# KiCad board panel_rp2354_20x20.kicad_pcb (continued)
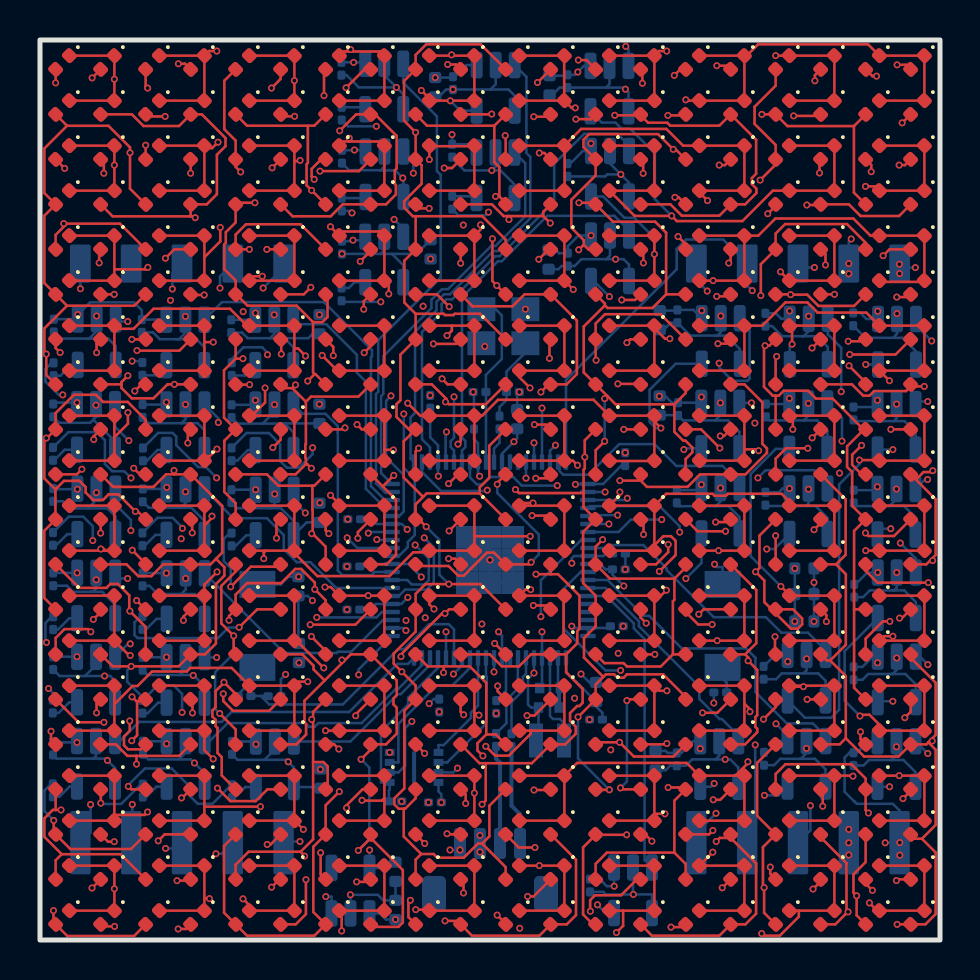
[diagram p0: board, top side]
## Routing (per net, layer and track width the routed paths; a pad name or vN(x,y) marks a point on that pad's centre or on a via; arc(x,y) is an arc through that point) (continued)
GND: length 260
  Bottom w0.127: 43.78,20.28 43.78,21.12 43.2,21.7 42.48,21.7 ; C7.2 27.47,12.88 v1(27.05,13.3) ; U42.4 30.6,2.25 30.57,2.28 v1(29.67,2.28) ; U41.4 34.91,8.63 34.51,9.03 v1(34.26,9.03) 33.78,9.03 ; 38.17,13.33 37.09,13.33 36.8,13.04 C54.2 ; 38.17,13.33 38.33,13.49 v1(38.33,14.06) U38.2 ; 38.17,13.33 38.91,13.33 39.28,12.96 U38.4 ; 11.22,9.01 11.74,9.53 U3.2 ; 11.22,9.01 12.31,9.01 v1(12.41,8.91) 12.69,8.63 U3.4 13.97,7.65 C66.2 ; 11.22,9.01 9.88,9.01 9.6,9.28 ; U4.2 7.28,9.37 6.94,9.03 ; U22.2 22.78,38.66 v1(22.59,38.48) ; v1(29.04,38.28) 28.36,38.28 28.26,38.18 C41.2 ; v1(29.04,38.28) 28.5,38.82 U25.2 ; v1(29.04,38.28) 29.45,37.87 U25.4 ; C29.2 9.88,25.82 11.13,25.82 ; v1(40.44,4.86) v1(40.44,4.25) 40.44,4.11 ; v1(40.44,4.86) J2.4 ; v1(40.44,4.86) J2.4 ; 6.79,30.04 5.99,30.04 5.65,30.38 C36.2 ; 6.79,30.04 6.95,30.04 ; 6.79,30.04 6.95,30.04 ; 11.73,26.71 v1(11.73,26.77) 11.73,26.71 ; 11.73,26.71 11.73,26.42 11.13,25.82 ; 6.95,30.04 7.27,30.36 U20.2 v1(7.27,31.18) ; 6.95,30.04 7.82,30.04 8.22,29.64 U20.4 ; 33.75,30.22 33.87,30.22 ; 33.75,30.22 33.87,30.22 ; 33.75,30.22 32.52,30.22 31.87,30.86 31.53,30.86 31.18,30.51 C72.2 ; 33.87,30.22 34.32,30.22 34.99,29.55 U27.4 ; 33.87,30.22 34.04,30.39 U27.2 34.04,31.2 v1(34.04,31.2) ; 23.72,37.1 23.72,37.77 23.02,38.48 v1(22.59,38.48) ; 17.03,34.3 17.59,34.3 ; 17.03,34.3 17.21,34.49 U18.2 ; 17.03,34.3 v1(15.1,34.3) ; 17.59,34.3 18.16,33.74 U18.4 ; 17.59,34.3 18.83,34.3 C60.2 ; U37.4 43.79,12.78 43.27,13.3 42.63,13.3 ; C21.2 0.84,9.07 2.67,9.07 ; 22.53,42.52 v1(20.65,42.52) 20.31,42.52 19.94,42.16 C69.2 ; 22.53,42.52 22.78,42.78 22.78,43.74 ; 22.53,42.52 23.42,42.52 23.73,42.22 U23.4 ; 28.3,42.62 C40.2 25.98,42.62 25.61,42.26 C70.2 ; 28.3,42.62 29.19,42.62 v1(29.27,42.54) 29.42,42.38 U24.4 ; 28.3,42.62 28.47,42.8 U24.2 ; v1(42.84,14.1) 42.84,13.51 42.63,13.3 ; v1(42.84,14.1) U37.2 v1(42.84,14.1) ; C45.2 36.47,25.98 38.19,25.98 ; 34.02,26.85 34.02,26.24 33.76,25.98 ; 34.02,26.85 v1(34.02,26.86) 34.02,26.85 ; U6.2 7.28,13.54 6.99,13.25 ; 36.27,30.69 36.61,30.69 37.11,30.19 38.1,30.19 ; 17.22,39.42 17.22,38.69 17.02,38.48 ; U29.4 39.37,25.46 38.85,25.98 38.19,25.98 ; 42.63,13.3 42.53,13.3 ; 42.63,13.3 42.53,13.3 ; C38.2 20.61,39.09 21.22,38.48 v1(22.59,38.48) ; C56.2 36.7,8.74 37.02,9.06 38.04,9.06 ; 33.76,25.98 32.15,25.98 C46.2 31.89,26.24 C71.2 ; 33.76,25.98 34.4,25.98 34.97,25.41 U30.4 ; C62.2 v1(12.95,13.86) ; Y1.4 22.08,29.84 v1(22.24,29.68) ; 12.22,30.09 13.41,30.09 13.63,30.31 C74.2 ; 12.22,30.09 12.66,29.64 12.66,28.74 ; 12.22,30.09 11.5,30.09 ; v1(42.83,9.66) 42.83,9.25 42.57,9 ; v1(42.83,9.66) U39.2 v1(42.83,9.66) ; v1(40.56,35.05) 40.44,34.93 v1(40.44,33.82) v1(40.44,33.31) ; 38.3,21.7 38.42,21.83 v1(38.42,22.54) U32.2 ; 38.3,21.7 38.78,21.7 39.38,21.11 U32.4 ; 38.3,21.7 36.31,21.7 C48.2 ; 2.9,22.19 2.9,22.53 ; 2.9,22.19 2.82,22.19 ; 2.9,22.19 2.9,22.12 ; C25.2 1.34,17.72 1.65,17.41 2.55,17.41 ; U2.81 U2.81 21.37,19.57 ; 38.1,30.19 38.18,30.19 ; 38.1,30.19 38.18,30.19 ; 38.18,30.19 38.85,30.19 39.39,29.65 U26.4 ; 38.18,30.19 38.44,30.45 U26.2 38.44,31.18 v1(38.43,31.19) ; 11.13,25.82 12.24,25.82 ; 12.24,25.82 12.25,25.83 C75.2 ; 12.24,25.82 12.67,25.39 12.67,24.5 ; C50.2 40.74,25.94 42.69,25.94 ; U5.2 2.8,9.2 2.67,9.07 ; 3.77,20.73 U12.4 ; 3.77,20.73 3.85,20.73 ; 3.77,20.73 3.77,21.18 3.37,21.58 2.4,21.58 ; 33.78,9.03 33.96,9.21 U41.2 ; 33.78,9.03 32.61,9.03 32.29,8.71 C57.2 31.5,8.71 31.28,8.5 30.78,8.5 ; 11.5,30.09 10.38,30.09 10.1,30.37 C35.2 ; 11.5,30.09 11.72,30.31 U19.2 11.72,31.26 v1(11.71,31.26) ; 40.44,5.65 v1(40.44,5.53) J2.4 ; U42.2 29.65,2.3 v1(29.67,2.28) ; U39.4 43.78,8.39 43.17,9 42.57,9 ; 2.25,13.2 v1(3.23,13.2) 3.51,13.2 3.76,12.95 U7.4 ; 2.25,13.2 0.98,13.2 C23.2 ; 2.25,13.2 2.8,13.75 U7.2 ; 7.06,17.3 7.28,17.52 v1(7.28,18.08) U8.2 ; 7.06,17.3 7.74,17.3 8.23,16.81 U8.4 ; 7.06,17.3 5.88,17.3 5.48,17.7 5.13,17.7 ; 2.4,30.07 1.02,30.07 C32.2 ; 2.4,30.07 2.46,30.07 ; 2.4,30.07 2.46,30.07 ; v1(38.7,15.93) C61.2 v1(38.7,17.88) C76.2 ; 42.48,21.7 40.84,21.7 C52.2 ; 42.48,21.7 42.83,22.05 v1(42.83,22.55) ; C64.2 13.33,20.88 U10.4 12.69,20.94 12.04,21.59 11.52,21.59 ; 6.94,9.03 5.41,9.03 C20.2 ; 6.94,9.03 7.54,9.03 v1(7.72,8.85) 8.23,8.34 U4.4 ; 42.69,25.94 43.23,25.94 43.78,25.39 U34.4 ; 42.69,25.94 42.83,26.08 v1(42.83,26.8) ; U11.4 8.23,20.95 7.57,21.61 7.04,21.61 ; C51.2 41.15,17.14 41.49,17.48 42.62,17.48 ; 2.46,30.07 3.41,30.07 3.78,29.69 3.78,28.75 ; 2.46,30.07 2.84,30.44 U16.2 2.84,31.2 v1(2.83,31.2) ; 2.82,22.19 v1(2.82,22.37) U12.2 ; 2.82,22.19 2.82,22 2.4,21.58 ; C4.2 25.9,12.72 U2.62 ; 6.99,13.25 5.38,13.25 C22.2 ; 6.99,13.25 7.64,13.25 v1(7.66,13.23) 7.69,13.23 8.23,12.69 U6.4 ; U43.2 15.53,2.25 v1(15.52,2.26) 16.89,2.26 17.17,1.98 C67.2 C68.2 ; U9.4 3.76,16.76 3.11,17.41 2.65,17.41 ; 2.55,17.41 2.65,17.41 ; 2.55,17.41 2.65,17.41 ; 2.4,21.58 1.51,21.58 1.16,21.94 C28.2 ; 38.19,25.98 38.42,26.21 v1(38.42,26.83) ; C33.2 15.45,38.49 17.01,38.49 17.02,38.48 ; v1(29.67,2.28) 29.52,2.28 29.52,2.28 28.29,2.28 28.17,2.41 C58.2 ; U11.2 v1(7.27,22.41) 7.27,21.84 7.04,21.61 ; U2.81 21.37,19.57 ; 21.37,19.57 22.5,19.57 ; SW1.1 12.04,17.78 12.42,18.16 C59.2 v1(12.93,18.16) ; U21.4 18.16,42.29 v1(17.82,42.63) ; 17.02,38.48 17.76,38.48 v1(18.14,38.1) 18.17,38.06 U17.4 ; U33.4 34.97,21.14 34.43,21.69 33.79,21.69 ; U15.2 v1(2.8,26.74) 2.8,26.15 2.67,26.02 ; U40.2 v1(38.33,9.58) 38.33,9.34 38.04,9.06 ; U15.4 3.75,24.93 2.67,26.02 ; C73.2 25.92,33.54 26.08,33.7 C44.2 26.73,33.7 27.07,34.04 28.32,34.04 ; 6.97,21.61 5.45,21.61 C27.2 ; 6.97,21.61 7.04,21.61 ; 6.97,21.61 7.04,21.61 ; U14.4 8.23,25.5 7.88,25.84 7.07,25.84 ; U28.4 29.45,33.77 29.18,34.04 v1(28.78,34.04) 28.32,34.04 ; 2.65,17.41 2.81,17.57 v1(2.81,18.01) U9.2 ; 40.67,8.72 41.17,8.72 41.45,9 42.57,9 ; C47.2 41.27,30.11 42.58,30.11 ; 33.79,21.69 32,21.69 C49.2 ; 33.79,21.69 34.03,21.92 v1(34.03,22.6) ; C26.2 9.85,21.59 11.52,21.59 ; U40.4 39.28,8.53 38.75,9.06 38.04,9.06 ; 2.67,9.07 3.28,9.07 v1(3.37,8.98) 3.75,8.6 U5.4 ; 2.67,26.02 2.51,25.86 0.96,25.86 C31.2 ; 7.07,25.84 5.42,25.84 C30.2 ; 7.07,25.84 7.27,26.05 v1(7.27,26.78) ; U21.2 17.21,43.24 v1(17.82,42.63) ; 42.62,17.48 42.7,17.48 ; 42.62,17.48 42.7,17.48 ; 42.7,17.48 43.21,17.48 43.79,16.9 U35.4 ; 42.7,17.48 42.84,17.62 v1(42.84,18.38) ; C37.2 15.33,43.24 15.94,42.63 v1(17.82,42.63) ; 3.85,20.73 3.85,20.97 ; 3.85,20.73 3.85,20.25 ; U2.81 U2.81 U2.81 U2.81 v1(22.5,19) 22.5,19.57 ; U28.2 28.5,34.22 28.32,34.04 ; C15.2 29.27,18.54 v1(29.26,18.53) ; 22.5,19.57 U2.81 ; 42.53,13.3 41.41,13.3 41.12,13.02 C53.2 ; 11.52,21.59 11.73,21.81 v1(11.73,22.3) U10.2 ; v1(21.66,27.4) 21.7,27.36 C13.2 ; v1(42.85,31.32) U31.2 42.85,30.31 42.65,30.11 43.12,30.11 43.8,29.43 43.8,28.78 ; C8.2 23.86,27.3 v1(23.97,27.4) ; R2.2 v1(33.69,11.85) ; J1.1 v1(21,4.5) v1(20.5,4.5)
  Bottom w0.2: 25.95,12.33 25.95,11.67
  vias: v1(15.35,18.68) v1(15.35,16.52) v1(15.39,21.04) v1(17.48,9.38) v1(19.42,6.88) v1(19.51,27.23) v1(19.96,11.41) v1(22.81,11.33) v1(24.27,31.54) v1(26.73,12.09) v1(29.16,15.69) v1(29.26,24.36)
/drivers/COL_00: length 1.4
  Bottom w0.127: U3.5 10.27,7.65 10.27,7.65 9.74,7.12 R9.1
/drivers/COL_01: length 1.4
  Bottom w0.127: U4.5 5.83,7.67 5.31,7.15 R10.1
/drivers/COL_02: length 1.4
  Bottom w0.127: U5.5 1.48,7.67 0.98,7.17 R11.1
/drivers/COL_03: length 1.4
  Bottom w0.127: R12.1 5.38,11.34 5.91,11.87 U6.5
/drivers/COL_04: length 1.4
  Bottom w0.127: R13.1 0.94,11.36 1.47,11.89 U7.5
/drivers/COL_05: length 1.4
  Bottom w0.127: R14.1 5.3,15.53 5.83,16.06 U8.5
/drivers/COL_06: length 1.4
  Bottom w0.127: U9.5 1.47,16.08 0.91,15.53 R15.1
/drivers/COL_07: length 1.6
  Bottom w0.127: 10.55,20.34 10.66,20.24 ; 10.66,20.24 10.32,20.24 9.78,19.7 9.58,19.7 ; 10.66,20.24 U10.5
/drivers/COL_08: length 1.4
  Bottom w0.127: R17.1 5.23,19.72 5.78,20.26 U11.5
/drivers/COL_09: length 1.4
  Bottom w0.127: R18.1 0.8,19.73 1.36,20.29 U12.5
/drivers/COL_10: length 1.4
  Bottom w0.127: R19.1 9.87,23.97 10.4,24.5 10.77,24.5
/drivers/COL_11: length 1.4
  Bottom w0.127: U14.5 5.88,24.5 5.34,23.96 R20.1
/drivers/COL_12: length 1.4
  Bottom w0.127: U15.5 1.23,24.51 0.7,23.98 0.65,23.98
/drivers/COL_13: length 1.4
  Bottom w0.127: U16.5 1.56,28.75 1.02,28.22 R22.1
/drivers/COL_14: length 1.2
  Bottom w0.127: R23.1 16.22,37.09 16.28,37.15
/drivers/COL_15: length 1.3
  Bottom w0.127: R24.1 15.44,32.6 15.73,32.89 U18.5
/drivers/COL_16: length 1.4
  Bottom w0.127: U19.5 10.25,28.22 9.59,28.22
/drivers/COL_17: length 1.4
  Bottom w0.127: U20.5 5.81,28.23 R26.1
/drivers/COL_18: length 1.2
  Bottom w0.127: R27.1 16.16,41.64 U21.5
/drivers/COL_19: length 1.3
  Bottom w0.127: R28.1 21.74,37.19 U22.5
/drivers/COL_MCU_00: length 8.7
  Bottom w0.127: U2.78 19.5,13.76 18.04,12.29 17.89,12.29 15.52,9.92 U3.3
/drivers/COL_MCU_01: length 13
  Bottom w0.127: U4.3 8.48,9.94 9.38,10.85 13.25,10.85 13.44,10.66 13.74,10.66 13.92,10.85 16.08,10.85 17.78,12.55 17.9,12.55 19.1,13.74 U2.79
/drivers/COL_MCU_02: length 16.7
  Bottom w0.127: U2.80 18.4,13.8 17.86,13.8 15.46,11.4 9.58,11.4 9.08,10.9 4.96,10.9 4,9.95 U5.3
/drivers/COL_MCU_03: length 10.7
  In1.Cu w0.127: v1(15.93,13.26) 15.91,13.24 14.04,13.24 13.97,13.3 12.93,13.3 12.1,14.13 v1(8.83,14.13)
  Bottom w0.127: v1(15.93,13.26) 15.93,13.53 U2.1 ; U6.3 8.24,14.13 v1(8.83,14.13)
/drivers/COL_MCU_04: length 15.8
  In1.Cu w0.127: v1(18.3,15.47) 17.63,14.81 v1(4.51,14.81)
  Bottom w0.127: U7.3 4.4,14.81 v1(4.51,14.81) ; v1(18.3,15.47) 18.17,15.6 U2.2
/drivers/COL_MCU_05: length 11.7
  Bottom w0.127: U8.3 12.22,14.35 14.83,14.35 14.9,14.41 15.56,14.41 17.15,16 U2.3
/drivers/COL_MCU_06: length 14.9
  In1.Cu w0.127: v1(13.84,16.13) 13.62,16.35 6.1,16.35 v1(4.38,18.07)
  Bottom w0.127: U9.3 4.05,18.07 v1(4.38,18.07) ; U2.4 17.1,16.4 16.83,16.13 13.84,16.13 v1(13.84,16.13)
/drivers/COL_MCU_07: length 13.9
  In1.Cu w0.127: v1(19.21,20.11) 19.32,20.11 19.7,20.48 19.7,20.79 19.09,21.41 13.32,21.41 v1(13.27,21.35)
  Bottom w0.127: U2.6 17.94,17.2 18.26,17.52 19.33,17.52 19.69,17.88 19.69,19.63 v1(19.21,20.11) ; v1(13.27,21.35) 12.69,21.93 U10.3
/drivers/COL_MCU_08: length 11.8
  Bottom w0.127: U2.7 14.81,17.6 13.52,18.89 12.84,18.89 12.19,19.54 12.19,20.25 11.34,21.09 9.67,21.09 U11.3
/drivers/COL_MCU_09: length 21.2
  In1.Cu w0.127: v1(4.54,20.47) 6.14,20.47 6.91,19.7 12.12,19.7 12.37,19.44 18.45,19.44 v1(18.76,19.75)
  Bottom w0.127: v1(4.54,20.47) 4.54,21.01 3.77,21.78 U12.3 ; v1(18.76,19.75) 19.44,19.07 19.44,17.99 19.22,17.78 18.59,17.78 18.37,18 U2.8
/drivers/COL_MCU_10: length 12.8
  Bottom w0.127: U2.9 16.73,18.4 16.57,18.24 15.12,18.24 14.89,18.47 14.89,25.39 14.88,25.39 14.88,25.7 14.27,26.31 13.13,26.31 U13.3
/drivers/COL_MCU_11: length 18.6
  In1.Cu w0.127: v1(8.92,25.88) 9.15,26.11 15.31,26.11 15.5,26.3 v1(18.19,26.3)
  Bottom w0.127: U14.3 8.92,26.08 v1(8.92,25.88) ; U2.11 17.94,19.2 18.39,19.65 18.39,19.9 18.74,20.25 18.74,23.06 18.19,23.61 v1(18.19,26.3)
/drivers/COL_MCU_12: length 19.4
  In1.Cu w0.127: v1(15.36,20.11) 15.2,19.95 13.35,19.95 12.8,20.49 11.52,20.49 11.01,19.98 7.14,19.98 v1(7.06,20.06)
  In2.Cu w0.127: v1(7.06,20.06) 5.44,21.68 5.44,23.97 v1(4.44,24.97)
  Bottom w0.127: U15.3 3.75,25.66 v1(4.44,24.97) ; U2.12 15.87,19.6 v1(15.36,20.11)
/drivers/COL_MCU_13: length 29.3
  In1.Cu w0.127: v1(4.39,30.93) 4.54,30.77 17.79,30.77 17.96,30.94 18.41,30.94 v1(19.15,31.69)
  In2.Cu w0.127: v1(16.84,20.02) 16.84,23.01 18.26,24.43 18.26,25.42 19.14,26.3 19.14,31.67 v1(19.15,31.69)
  Bottom w0.127: U2.13 16.86,20 v1(16.84,20.02) ; v1(4.39,30.93) 3.89,30.93 3.78,31.03
/drivers/COL_MCU_14: length 21.5
  In2.Cu w0.127: v1(18.67,38.34) 18.75,38.26 18.75,26.35 16.41,24.01 v1(16.41,20.34)
  Bottom w0.127: v1(18.67,38.34) 18.67,38.93 18.17,39.42 ; v1(16.41,20.34) 16.47,20.4 U2.14
/drivers/COL_MCU_15: length 17
  In2.Cu w0.127: v1(17.55,27.21) 17.8,27.46 17.8,35.93 v1(17.7,36.03)
  Bottom w0.127: U18.3 18.16,35.57 v1(17.7,36.03) ; U2.16 17.96,21.2 18.19,21.42 18.19,23.25 17.31,24.13 17.31,26.97 v1(17.55,27.21)
/drivers/COL_MCU_16: length 12.5
  Bottom w0.127: 12.66,31.02 12.89,30.79 14.31,30.79 15.85,29.26 15.85,28.36 16.29,27.91 16.29,22.56 17.26,21.6 U2.17
/drivers/COL_MCU_17: length 17.9
  Bottom w0.127: U20.3 9.1,31.9 14.19,31.9 16.6,29.49 16.6,29.18 16.55,29.13 16.55,22.69 17.24,22 U2.18
/drivers/COL_MCU_18: length 24.1
  Bottom w0.127: U21.3 18.16,42.86 19.84,41.18 19.84,38.45 20.03,38.26 20.03,33.11 16.91,29.99 16.91,27.41 16.8,27.3 16.8,22.83 17.23,22.4 U2.19
/drivers/COL_MCU_19: length 20.3
  Bottom w0.127: U2.20 17.05,23.35 17.05,27.2 17.17,27.31 17.17,29.19 19.57,31.59 19.57,32.01 20.1,32.54 20.4,32.54 22.56,34.7 22.77,34.7 24.26,36.19 24.26,38.84 23.72,39.38
/drivers/ROW_00: length 69.6
  Top w0.127: v1(36.78,44.22) D321.1 D341.1 D381.1 D361.1 ; D281.1 D301.1 D261.1 ; D161.1 20.54,44.22 ; 20.54,44.22 v1(20.58,44.26) ; 20.54,44.22 D181.1 D221.1 20.51,41.97 ; 20.51,41.97 D201.1 19.35,42.09 19.35,42.2 v1(19.07,42.48) ; 20.51,41.97 v1(20.52,41.96) ; D41.1 D61.1 v1(3.72,43.04) D21.1 D1.1 ; D121.1 D141.1 v1(12.72,42.97) D101.1 D81.1 ; D241.1 D261.1 ; D261.1 30.95,44.45 v1(31.34,44.45)
  In1.Cu w0.127: v1(3.72,43.04) 3.79,42.97 v1(12.72,42.97) 12.74,43 18.55,43 v1(19.07,42.48) ; v1(36.78,44.22) 31.57,44.22 v1(31.34,44.45) 31.18,44.29 27.85,44.29 27.54,44.6 20.92,44.6 v1(20.58,44.26)
  Bottom w0.127: U23.5 21.01,41.47 v1(20.52,41.96)
/drivers/ROW_01: length 83.2
  Top w0.127: v1(13,38.98) 12.97,38.94 12.72,38.94 ; 12.72,38.94 D142.1 D122.1 ; 12.72,38.94 D102.1 D82.1 ; D202.1 D222.1 D182.1 21.69,39.69 19.5,39.69 D162.1 v1(19.47,39.02) ; D2.1 D22.1 v1(3.72,38.75) D62.1 D42.1 ; D322.1 D342.1 D382.1 D362.1 36.64,37.47 35.12,35.95 31.84,35.95 v1(31.58,36.2) 29.73,36.2 D282.1 D302.1 D262.1 D242.1
  In1.Cu w0.127: v1(3.72,38.75) 3.95,38.98 v1(13,38.98) 13.05,39.02 v1(19.47,39.02) 19.47,38.82 20.75,37.55 31.86,37.55 32.11,37.29 32.11,36.73 v1(31.58,36.2)
  Bottom w0.127: U24.5 28.09,40.87 28.77,40.87 29.08,40.56 29.51,40.56 30.74,39.33 30.74,37.04 v1(31.58,36.2)
/drivers/ROW_02: length 76.4
  Top w0.127: D283.1 28.47,32.97 30.72,32.97 D303.1 v1(30.72,34.29) D263.1 D243.1 ; D183.1 D223.1 D203.1 ; D183.1 D163.1 ; D183.1 22.03,35.53 v1(22.03,35.76) ; D323.1 D343.1 D383.1 D363.1 v1(37.03,33.41) ; D43.1 D63.1 3.72,33.53 ; 3.72,33.53 D23.1 D3.1 ; 3.72,33.53 5.29,33.53 v1(5.39,33.63) ; v1(11.11,33.19) 10.69,33.19 D123.1 D143.1 D103.1 D83.1
  In1.Cu w0.127: 22.03,35.67 22.22,35.48 25.66,35.48 25.86,35.67 29.34,35.67 v1(30.72,34.29) 36.14,34.29 v1(37.03,33.41) ; 22.03,35.67 19.54,33.19 11.11,33.19 ; 22.03,35.67 v1(22.03,35.76) ; 11.11,33.19 v1(11.11,33.19) ; 11.11,33.19 5.84,33.19 v1(5.39,33.63)
  Bottom w0.127: v1(30.72,34.29) 30.72,35.1 29.71,36.11 29.22,36.11 28.16,37.17 U25.5
/drivers/ROW_03: length 71
  Top w0.127: 37.83,30.72 D344.1 D384.1 D364.1 ; 37.83,30.72 D324.1 ; 37.83,30.72 37.6,30.49 v1(37.6,29.79) ; 20.59,30.72 D184.1 D224.1 D204.1 ; 20.59,30.72 D164.1 ; 20.59,30.72 20.59,30.47 v1(20.35,30.22) ; D124.1 D144.1 12.72,29.58 ; 12.72,29.58 12.9,29.58 v1(13.28,29.2) ; 12.72,29.58 D104.1 D84.1 10.34,30.72 9.5,31.56 5.68,31.56 4.68,30.56 3.75,30.56 3.72,30.6 ; 3.72,30.6 D24.1 D4.1 ; 3.72,30.6 D64.1 D44.1 ; D244.1 D264.1 30.72,30.6 ; 30.72,30.6 D304.1 D284.1 ; 30.72,30.6 31.25,30.06 v1(31.49,30.06)
  In1.Cu w0.127: v1(37.6,29.79) 37.2,30.19 31.62,30.19 v1(31.49,30.06) 31.25,30.3 20.43,30.3 v1(20.35,30.22) 16.21,30.22 14.84,28.85 13.63,28.85 v1(13.28,29.2)
  Bottom w0.127: U26.5 37.49,29.67 v1(37.6,29.79)
/drivers/ROW_04: length 77.2
  Top w0.127: D265.1 D305.1 30.7,23.95 28.49,23.95 D285.1 ; D265.1 D245.1 27.68,27.01 22.9,27.01 22.11,26.22 D185.1 ; D265.1 30.72,25.92 v1(31.05,25.6) ; v1(4.4,26.37) 4.4,25.82 3.72,25.14 ; v1(18.39,26.84) 19.01,26.22 D165.1 D185.1 ; D185.1 D225.1 D205.1 ; D365.1 D385.1 D345.1 37.82,26.22 ; 3.72,25.14 D25.1 D5.1 ; 3.72,25.14 D65.1 D45.1 ; D125.1 D145.1 D105.1 D85.1 10.6,26.22 11.25,26.87 v1(11.25,27.6) ; D325.1 37.82,26.22 ; 37.82,26.22 37.64,26.04 v1(37.64,25.53)
  In1.Cu w0.127: v1(4.4,26.37) 14.13,26.37 14.36,26.6 14.36,26.84 ; v1(18.39,26.84) 14.36,26.84 ; 14.36,26.84 14.36,26.92 13.89,27.39 11.47,27.39 v1(11.25,27.6) ; v1(31.05,25.6) 35.48,25.6 35.59,25.48 37.59,25.48 v1(37.64,25.53)
  Bottom w0.127: v1(31.05,25.6) 30.79,25.6 30.48,25.9 30.48,27.51 31.78,28.81 U27.5
/drivers/ROW_05: length 83.7
  Top w0.127: 37.67,21.72 D346.1 D386.1 D366.1 ; 37.67,21.72 37.08,22.31 34.39,22.31 34.3,22.21 33.73,22.21 33.63,22.31 31.31,22.31 D266.1 ; 37.67,21.72 D326.1 ; D266.1 30.72,19.74 ; D266.1 D246.1 29,22.25 v1(29,22.4) ; 30.72,19.74 D306.1 D286.1 ; 30.72,19.74 31.17,20.19 31.55,20.19 31.78,19.96 31.78,19.25 v1(30.97,18.43) ; 11.29,19.47 12.6,19.47 ; 11.29,19.47 11.19,19.37 v1(11.19,19.07) ; 11.29,19.47 D126.1 ; 12.6,19.47 D146.1 D106.1 D86.1 ; 12.6,19.47 13.87,18.19 17.47,18.19 18.66,19.39 19.39,19.39 D206.1 D226.1 21.72,20.22 ; v1(3.04,19.55) 3.2,19.55 3.29,19.47 ; D166.1 D186.1 21.72,20.22 ; 3.29,19.47 D46.1 ; 3.29,19.47 D66.1 D26.1 D6.1 ; 21.72,20.22 21.75,20.19 v1(24.51,20.19)
  In1.Cu w0.127: v1(30.97,18.43) 30.38,18.43 29.9,18.91 27.04,18.91 25.76,20.19 v1(24.51,20.19) ; v1(11.19,19.07) 3.52,19.07 v1(3.04,19.55)
  In2.Cu w0.127: v1(29,22.4) 28.6,22.8 28.6,25.09 28.53,25.16 28.53,26.85 28.6,26.92 28.6,27.59 28.47,27.71 v1(28.47,32.17)
  Bottom w0.127: U28.5 27.69,32.95 v1(28.47,32.17)
/drivers/ROW_06: length 91.3
  Top w0.127: v1(37.04,17.68) 37.04,17.68 37.51,17.22 ; D367.1 D387.1 D347.1 37.51,17.22 ; D267.1 31.05,17.22 v1(31.32,17.49) ; D267.1 D307.1 D287.1 ; D267.1 D247.1 ; 37.51,17.22 D327.1 ; D67.1 4.46,14.23 v1(4.51,14.23) ; D67.1 D47.1 ; D67.1 D27.1 D7.1 ; v1(19.7,16.55) 19.47,16.78 D167.1 D187.1 D227.1 D207.1 ; D147.1 12.82,14.97 v1(14.19,13.6) ; D147.1 D127.1 ; D147.1 D107.1 D87.1
  In1.Cu w0.127: v1(37.04,17.68) 36.85,17.49 v1(31.32,17.49) 30.74,18.07 26.04,18.07 24.68,19.43 20.26,19.43 19.87,19.04 17.68,19.04 16.04,17.4 16.04,16.99 16.48,16.55 18.67,16.55 ; v1(4.51,14.23) 4.79,14.51 13.28,14.51 v1(14.19,13.6) 14.21,13.63 16.99,13.63 18.67,15.31 18.67,16.55 ; 18.67,16.55 v1(19.7,16.55)
  Bottom w0.127: U29.5 36.79,24.56 35.53,23.3 35.53,19.19 v1(37.04,17.68)
/drivers/ROW_07: length 83.6
  Top w0.127: v1(38.17,12.67) 37.52,12.67 D328.1 D348.1 D388.1 D368.1 ; D108.1 D88.1 9.58,13.6 7.52,13.6 7.34,13.43 5.6,13.43 4.88,12.7 4.63,12.7 3.72,11.79 ; D108.1 12.92,12.92 v1(13.39,12.92) ; D108.1 D148.1 D128.1 ; D168.1 D188.1 21.72,11.32 ; 3.72,11.79 D68.1 D48.1 ; 3.72,11.79 D28.1 D8.1 ; 21.72,11.32 21.87,11.32 v1(21.95,11.24) ; 21.72,11.32 D228.1 D208.1 ; D268.1 D308.1 D288.1 ; D268.1 30.97,12.46 v1(31.34,12.46) ; D268.1 D248.1
  In1.Cu w0.127: v1(38.17,12.67) 31.55,12.67 v1(31.34,12.46) 23.17,12.46 v1(21.95,11.24) 20.7,12.48 17.84,12.48 17.69,12.64 13.66,12.64 v1(13.39,12.92)
  In2.Cu w0.127: v1(31.34,12.46) 31.78,12.89 31.78,19.94 31.58,20.14 31.58,23.91 v1(32.19,24.52)
  Bottom w0.127: U30.5 32.25,24.58 v1(32.19,24.52)
/drivers/ROW_08: length 98.7
  Top w0.127: D149.1 D129.1 ; D149.1 D109.1 D89.1 ; D149.1 12.73,5.97 v1(13.17,5.53) ; D289.1 D309.1 30.72,6.31 ; 30.72,6.31 D269.1 D249.1 ; 30.72,6.31 v1(31.25,6.31) ; D329.1 D349.1 ; D349.1 D389.1 D369.1 ; D349.1 40.62,8.22 v1(40.65,8.19) ; D169.1 D189.1 v1(21.72,7.35) D229.1 D209.1 ; D9.1 D29.1 3.72,6.25 ; 3.72,6.25 5.23,6.25 v1(5.38,6.4) ; 3.72,6.25 D69.1 D49.1
  In1.Cu w0.127: v1(5.38,6.4) 6.64,5.14 12.6,5.14 12.63,5.11 ; 12.63,5.11 12.63,4.76 12.84,4.56 13.15,4.56 13.45,4.87 16.85,4.87 19.28,7.29 21.72,7.29 ; 12.63,5.11 13.05,5.53 v1(13.17,5.53) ; 31.25,6.92 v1(31.25,6.31) ; 31.25,6.92 22.48,6.92 22.11,7.29 21.72,7.29 ; 31.25,6.92 31.78,6.92 33.27,8.41 34.58,8.41 34.8,8.19 v1(40.65,8.19) ; 21.72,7.29 v1(21.72,7.35)
  In2.Cu w0.127: v1(40.65,8.19) 40.58,8.26 40.58,28.07 v1(41.29,28.78)
  Bottom w0.127: 41.9,28.78 v1(41.29,28.78)
/drivers/ROW_09: length 93.9
  Top w0.127: v1(18.79,1.52) 19.42,1.52 D210.1 D230.1 D190.1 D170.1 ; D90.1 D110.1 D150.1 10.74,1.47 ; 29.16,1.47 29.16,0.71 v1(28.82,0.37) ; 29.16,1.47 D310.1 D270.1 D250.1 ; 29.16,1.47 D290.1 ; D10.1 D30.1 v1(3.72,2.56) D70.1 D50.1 ; 37.94,1.47 D370.1 ; 37.94,1.47 37.94,1.17 36.99,0.22 36.19,0.22 v1(36.09,0.32) ; 37.94,1.47 D390.1 D350.1 D330.1 ; D130.1 10.74,1.47 ; 10.74,1.47 v1(10.15,2.06)
  In1.Cu w0.127: v1(18.79,1.52) 10.69,1.52 v1(10.15,2.06) 9.65,2.56 v1(3.72,2.56) ; v1(23.99,0.59) 24.2,0.37 v1(28.82,0.37) 28.91,0.28 36.04,0.28 v1(36.09,0.32)
  In2.Cu w0.127: v1(18.79,1.52) 19.72,0.59 v1(23.99,0.59) ; v1(36.09,0.32) 37.19,1.43 37.19,11.2 36.34,12.05 v1(36.34,19.55)
  Bottom w0.127: v1(36.34,19.55) 36.72,19.55 U32.5
/drivers/ROW_10: length 90.9
  Top w0.127: D11.1 D31.1 8.22,2.07 ; v1(41.47,1.85) 41.86,1.47 D371.1 D391.1 D351.1 D331.1 ; D291.1 D311.1 D271.1 D251.1 v1(33.64,4.39) ; 8.22,2.07 D71.1 D51.1 ; 8.22,2.07 v1(8.47,2.07) ; D171.1 v1(24.97,3.72) D191.1 D231.1 D211.1 ; v1(15.08,0.45) 15.08,1.35 D131.1 D151.1 D111.1 D91.1
  In1.Cu w0.127: v1(41.47,1.85) 41.46,1.84 36.19,1.84 v1(33.64,4.39) D251.1 v1(24.97,3.72) 24.97,2.18 23.24,0.45 v1(15.08,0.45) 10.09,0.45 v1(8.47,2.07)
  In2.Cu w0.127: v1(33.64,4.39) 32.07,5.96 32.07,17.85 v1(32.29,18.07)
  Bottom w0.127: v1(32.29,18.07) 33.08,18.85 U33.5
/drivers/ROW_11: length 97.3
  Top w0.127: 42.96,8.22 v1(42.96,8.22) ; 42.96,8.22 D332.1 ; 42.96,8.22 v1(42.96,8.22) ; v1(42.96,8.22) D352.1 D392.1 D372.1 ; D52.1 D72.1 8.22,6.67 ; D192.1 D232.1 D212.1 ; D192.1 26.85,8.85 32.33,8.85 D252.1 34.77,8.22 ; D192.1 D172.1 ; 34.77,8.22 35.4,8.84 v1(35.4,8.91) ; 34.77,8.22 D272.1 D312.1 D292.1 ; D12.1 D32.1 8.22,6.67 ; 17.22,7.1 D152.1 D132.1 ; 17.22,7.1 D112.1 D92.1 ; 17.22,7.1 17.09,6.97 16.12,6.97 v1(16.1,6.99) ; v1(11.02,6.67) 11.02,6.67 8.22,6.67
  In1.Cu w0.127: v1(16.1,6.99) 16.93,7.82 21.26,7.82 21.52,8.08 31.79,8.08 32.38,8.66 32.74,8.66 33.52,9.44 34.86,9.44 v1(35.4,8.91) 42.27,8.91 v1(42.96,8.22)
  In2.Cu w0.127: v1(42.96,8.22) 43.61,8.86 43.61,23.56 v1(42.64,24.52) ; v1(11.02,6.67) 11.34,6.99 v1(16.1,6.99)
  Bottom w0.127: U34.5 v1(42.64,24.52)
/drivers/ROW_12: length 81.2
  Top w0.127: v1(41,11.2) 41.06,11.26 41.48,11.26 41.97,10.77 D373.1 D393.1 D353.1 D333.1 ; D173.1 D193.1 D233.1 24.53,10.47 ; 35.22,11.82 D313.1 D293.1 ; 35.22,11.82 D273.1 D253.1 ; 35.22,11.82 35.5,11.54 v1(35.5,11.42) ; D13.1 D33.1 D73.1 ; D93.1 D113.1 D153.1 D133.1 v1(14.28,10.47) ; D73.1 D53.1 ; D73.1 8.22,9.49 v1(8.66,9.05) ; 24.53,10.47 D213.1 ; 24.53,10.47 24.53,10.31 23.44,9.22 22.76,9.22 v1(22.29,9.68)
  In1.Cu w0.127: 22.29,10.47 34.55,10.47 v1(35.5,11.42) 40.78,11.42 v1(41,11.2) ; 22.29,10.47 v1(14.28,10.47) ; 22.29,10.47 v1(22.29,9.68)
  In2.Cu w0.127: v1(14.28,10.47) 10.07,10.47 v1(8.66,9.05)
  Bottom w0.127: U35.5 40.23,14.44 40.23,11.97 v1(41,11.2)
/drivers/ROW_13: length 84.2
  Top w0.127: v1(14.25,17.65) 14.54,17.65 D94.1 ; D214.1 D234.1 26.18,15.01 26.18,17.18 D194.1 D174.1 24.27,17.52 v1(24.53,17.52) ; D94.1 14.94,17.19 ; D94.1 v1(16.41,17.22) D114.1 D154.1 D134.1 14.94,15 ; D54.1 D74.1 D34.1 ; D254.1 D274.1 D314.1 v1(33.86,14.97) D294.1 ; v1(8.85,18.4) 8.22,17.77 D34.1 ; D34.1 D14.1 ; D334.1 D354.1 D394.1 D374.1 42.19,15.19 v1(42.64,15.19)
  In1.Cu w0.127: v1(14.25,17.65) 13.33,18.57 9.02,18.57 v1(8.85,18.4) ; v1(16.41,17.22) 17.75,18.56 21.91,18.56 22.95,17.52 v1(24.53,17.52) 24.72,17.34 29.81,17.34 32.18,14.97 v1(33.86,14.97) 34.02,14.8 38.85,14.8 42.09,11.57 42.82,11.57 43.25,11.99 43.25,14.59 v1(42.64,15.19)
  In2.Cu w0.127: v1(42.64,15.19) 43.34,15.89 43.34,18.39 42.54,19.19 v1(42.54,20.56)
  Bottom w0.127: v1(42.54,20.56) 42.16,20.56 41.88,20.28
/drivers/ROW_14: length 81.1
  Top w0.127: 8.22,20.72 8.6,21.1 v1(8.6,21.19) ; 8.22,20.72 D75.1 D55.1 ; 8.22,20.72 D35.1 D15.1 ; D215.1 D235.1 D195.1 D175.1 24.1,21.85 v1(24.65,21.85) ; v1(14.53,22.24) 14.97,21.79 D95.1 D115.1 D155.1 D135.1 ; D335.1 D355.1 D395.1 D375.1 41.97,19.47 v1(41.29,19.47) ; D255.1 D275.1 D315.1 v1(33.93,19.47) D295.1
  In1.Cu w0.127: v1(41.29,19.47) 41.2,19.47 40.91,19.18 ; 34.11,19.18 34.11,18.58 33.95,18.41 33.39,18.41 32.89,18.91 30.38,18.91 30.13,19.16 27.34,19.16 v1(24.65,21.85) 14.91,21.85 v1(14.53,22.24) 12.42,22.24 11.38,21.19 v1(8.6,21.19) ; 34.11,19.18 40.91,19.18 ; 34.11,19.18 34.11,19.29 v1(33.93,19.47) ; 40.91,19.18 40.91,13.67 v1(42.64,11.94)
  Bottom w0.127: v1(42.64,11.94) 41.93,11.94 U37.5
/drivers/ROW_15: length 86.7
  Top w0.127: D296.1 D316.1 35.22,24.53 ; D236.1 26.64,23.97 v1(26.87,23.74) ; D236.1 D216.1 ; D236.1 D196.1 D176.1 ; 17.22,24.51 D116.1 D96.1 ; 17.22,24.51 D156.1 D136.1 ; 17.22,24.51 17.66,24.51 v1(17.67,24.5) ; v1(8.85,24.55) 8.49,24.19 8.22,24.19 ; 35.22,24.53 D276.1 D256.1 ; 35.22,24.53 35.86,24.53 v1(35.93,24.46) ; D16.1 D36.1 8.22,24.19 ; D336.1 D356.1 D396.1 D376.1 41.94,24 v1(40.97,24) ; 8.22,24.19 D76.1 D56.1
  In1.Cu w0.127: v1(8.85,24.55) 9.16,24.24 17.67,24.24 ; v1(40.97,24) 36.4,24 v1(35.93,24.46) 34.71,24.46 33.99,23.74 v1(26.87,23.74) 26.63,23.99 17.93,23.99 17.67,24.24 ; 17.67,24.24 v1(17.67,24.5)
  Bottom w0.127: v1(40.97,24) 40.97,23.8 39.96,22.78 39.96,11.51 39.56,11.12 38.24,11.12 U38.5
/drivers/ROW_16: length 107.4
  Top w0.127: v1(14.11,29.23) 14.87,28.47 D137.1 D157.1 D117.1 D97.1 ; D257.1 D277.1 ; D277.1 D317.1 D297.1 ; D277.1 36.11,30.72 37.27,31.88 38.37,31.88 38.88,31.37 41.32,31.37 D337.1 D357.1 D397.1 D377.1 41.97,28.47 v1(42.47,27.96) ; v1(24.5,27.6) 23.97,28.14 D217.1 D237.1 D197.1 D177.1 ; D57.1 D77.1 8.22,29.89 ; D17.1 D37.1 8.22,29.89 ; v1(8.66,29.89) 8.22,29.89
  In1.Cu w0.127: 24.5,26.62 24.12,26.23 19.83,26.23 17.74,28.31 13.09,28.31 13.03,28.37 11.72,28.37 11,29.09 11,29.67 ; 24.5,26.62 24.89,26.23 25.34,26.23 27.07,27.96 28.53,27.96 28.74,28.17 29.04,28.17 29.25,27.96 v1(42.47,27.96) ; 24.5,26.62 v1(24.5,27.6) ; v1(8.66,29.89) 10.78,29.89 11,29.67 ; 11,29.67 13.67,29.67 v1(14.11,29.23)